# Altium PCB PCB1.PcbDoc
Units mm, origin at the board's own origin, x right, y up, seen from the top; angles counter-clockwise.
Board outline 42.8 x 94.9 mm, 4 copper layers (Top Layer, GROUND, POWER, Bottom Layer), stack 1.369 mm thick; 38 components, 31 nets, 184 pads, 30 vias.
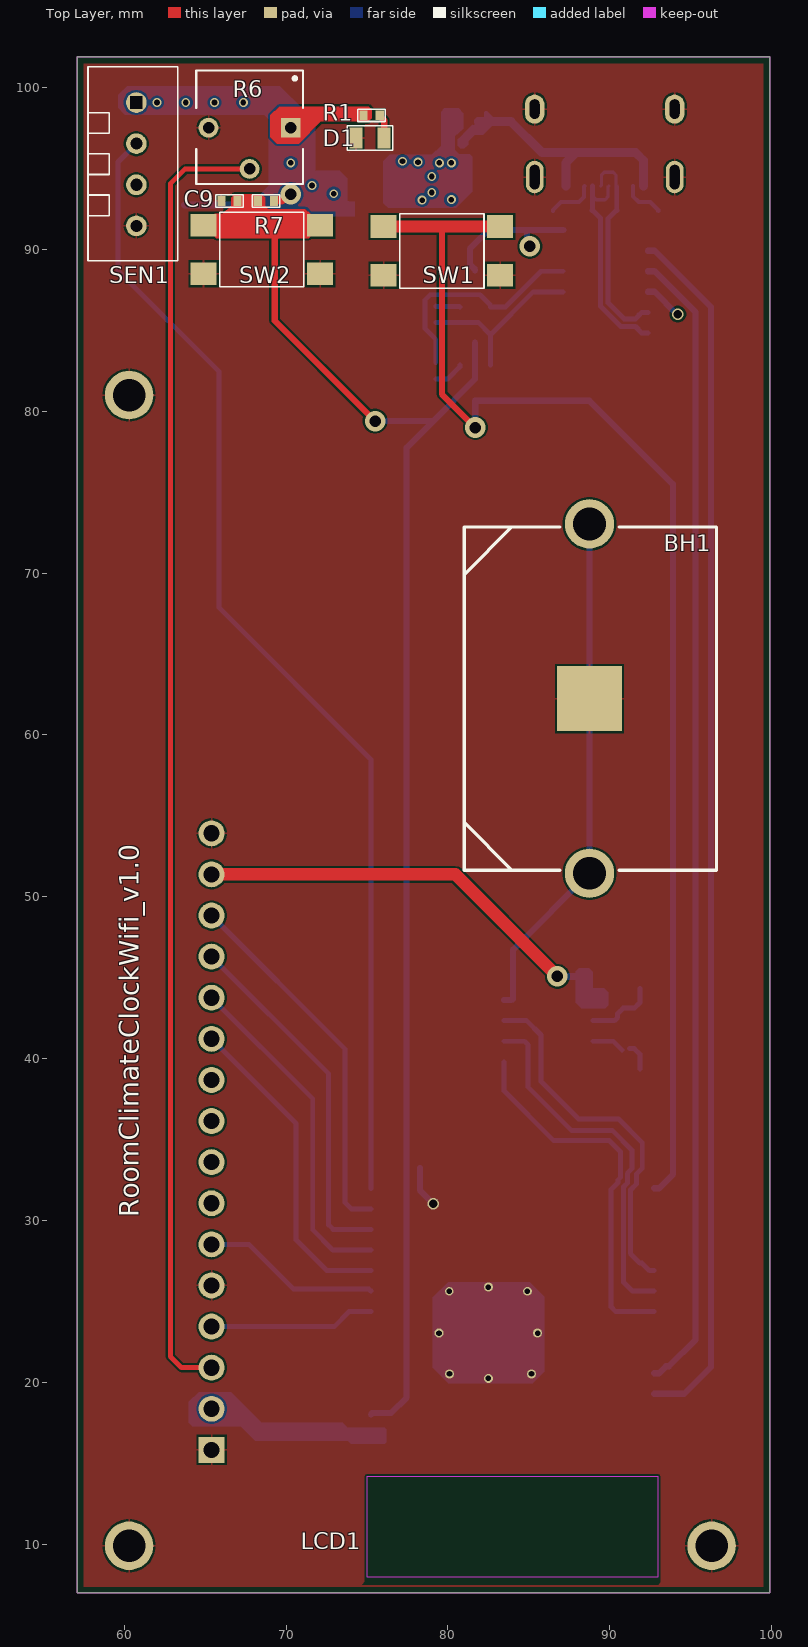
[diagram p0: Top Layer view]
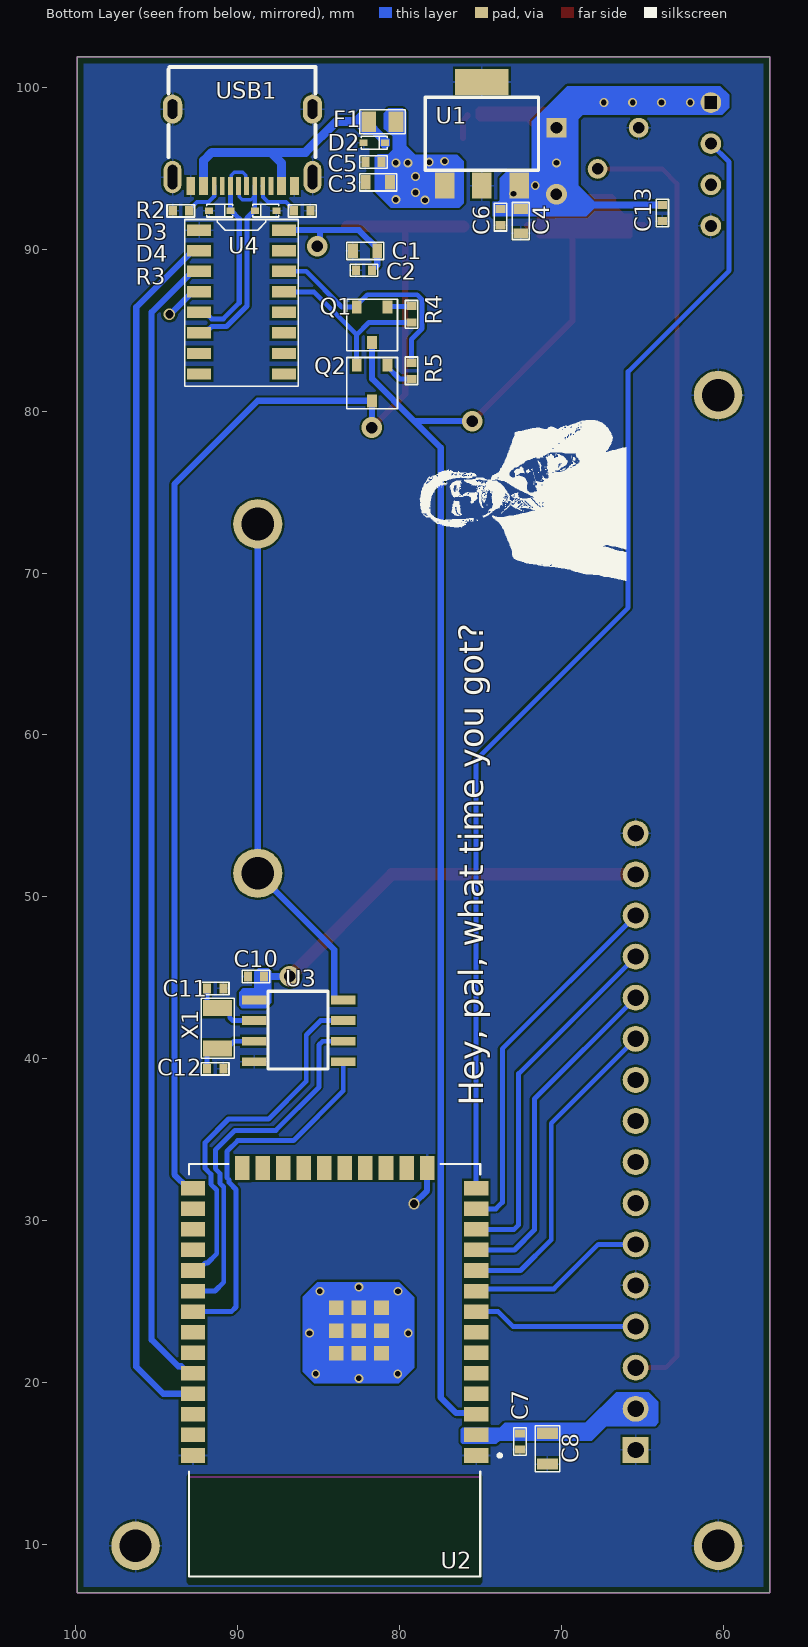
[diagram p1: Bottom Layer view, seen from below]
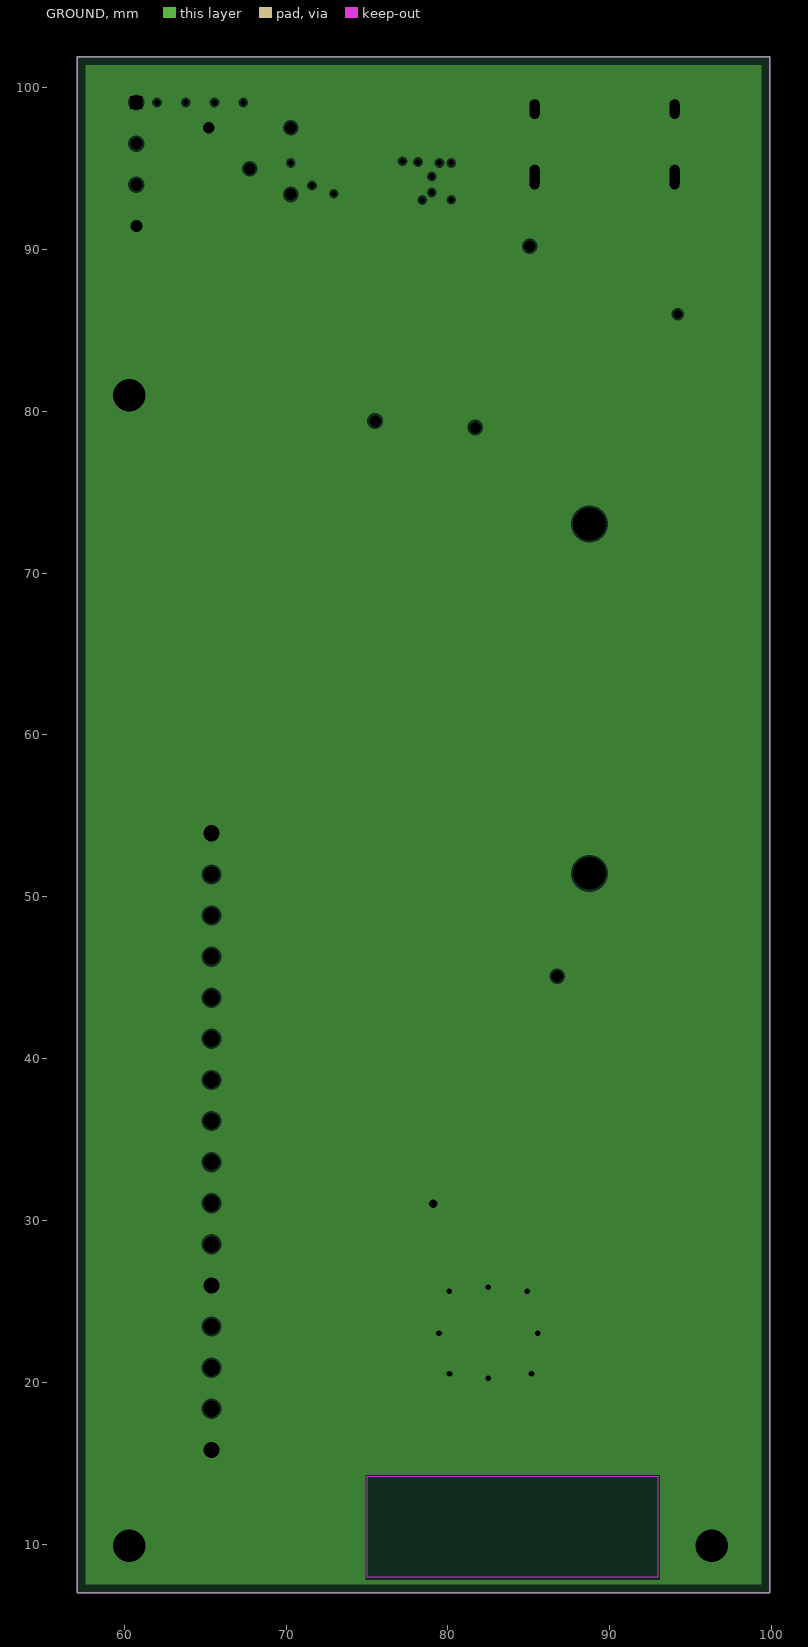
[diagram p2: GROUND, clearances drawn from the general rule]
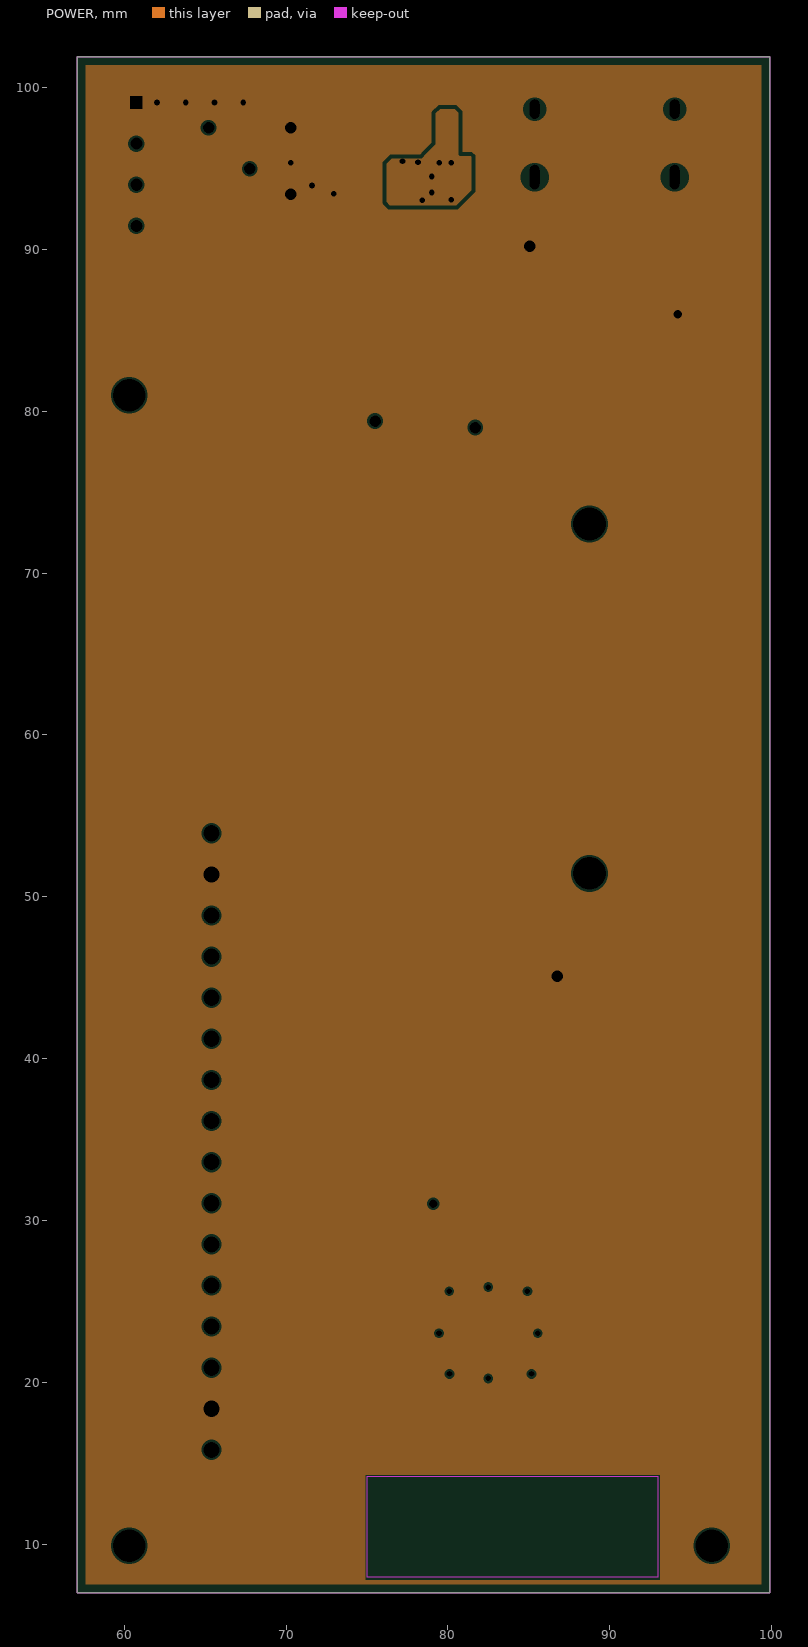
[diagram p3: POWER, clearances drawn from the general rule]
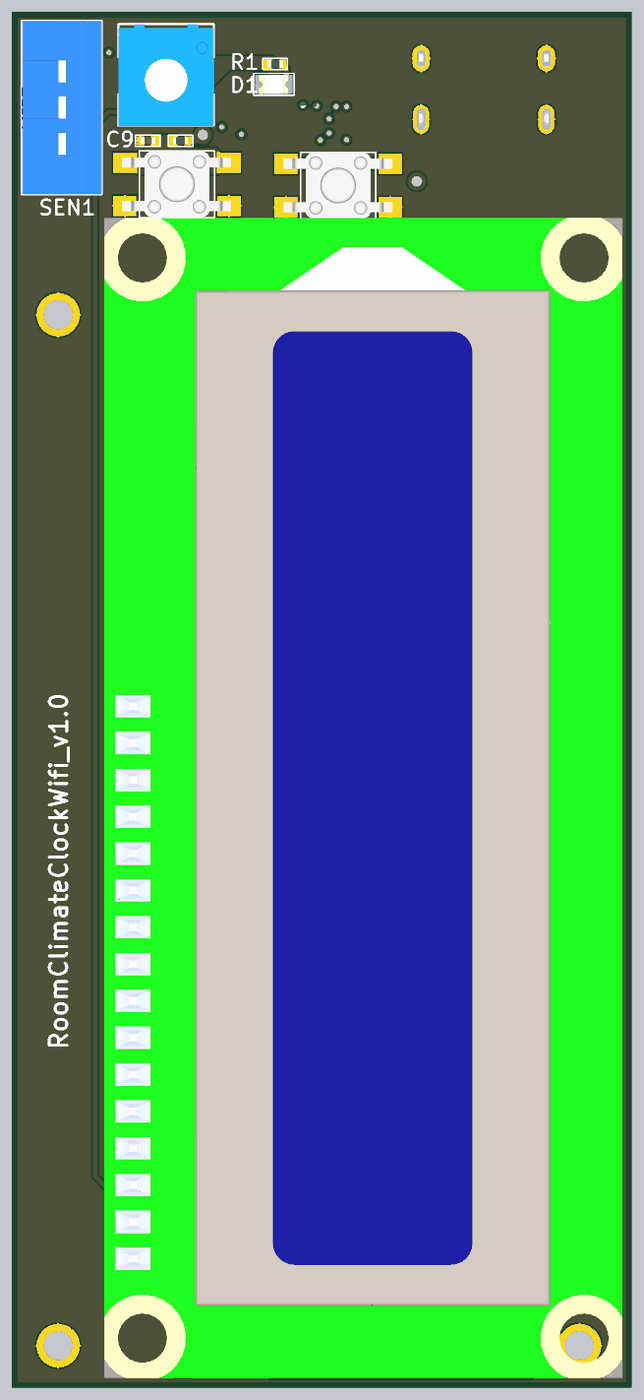
[diagram p4: 3D render of the assembled board from above, using the file's embedded part models]
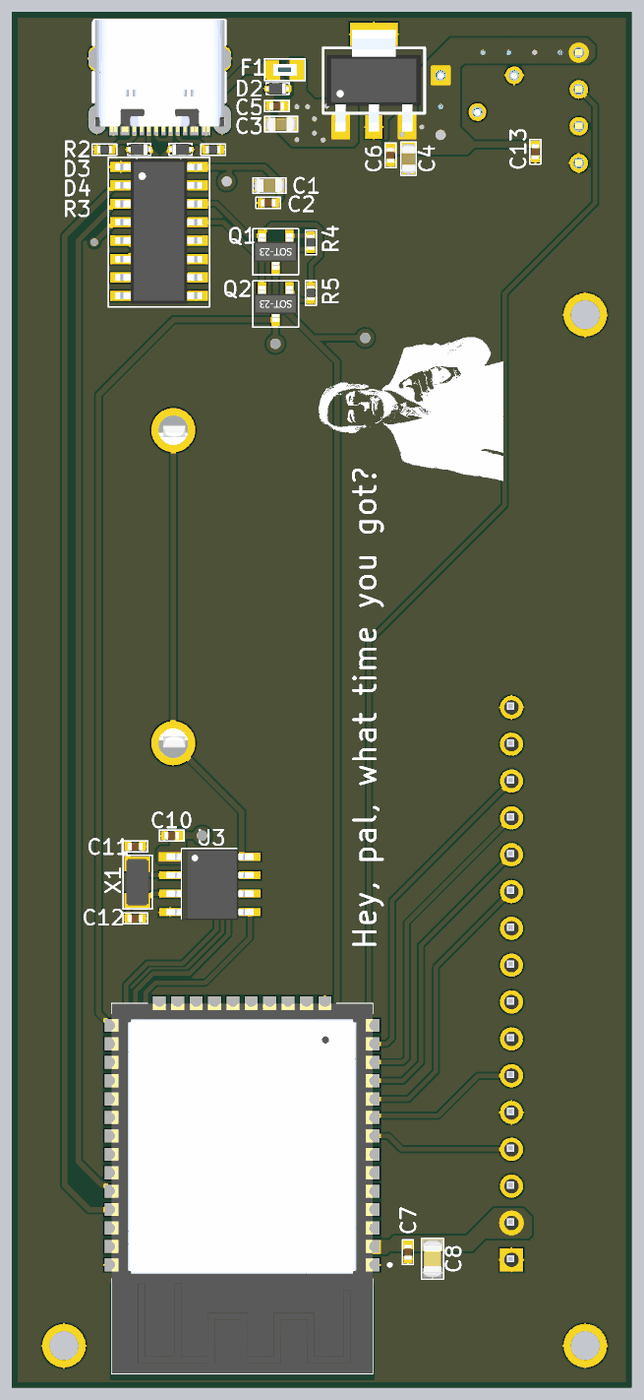
[diagram p5: 3D render of the assembled board from below, using the file's embedded part models]

## Layer stack, top to bottom
Top Solder: solder mask 0.0254, SM-001, Dk 4
Top Layer: signal copper 0.035
Dielectric 1: prepreg 0.1295, PP-017, Dk 4.3
Dielectric 2: prepreg 0.1295, PP-017, Dk 4.3
GROUND: plane copper 0.035, net GND
Dielectric 3: core 0.7112, Core-039, Dk 4.8
POWER: plane copper 0.035, net 3V3
Dielectric 4: prepreg 0.1295, PP-017, Dk 4.3
Dielectric 5: prepreg 0.1295, PP-017, Dk 4.3
Bottom Layer: signal copper 0.035
Bottom Solder: solder mask 0.0254, SM-001, Dk 4

## Board outline
57.1,7 57.1,101.9 99.9,101.9 99.9,7

## Design rules (kind name [scope] priority, off if disabled: settings)
BoardOutlineClearance [All] p1: gap=0.2 ignorepadtopadclearanceinfootprint=FALSE
Clearance [All] p1: gap=0.127 ignorepadtopadclearanceinfootprint=FALSE except(0.2: Arc-SMDPad Arc-THPad Track-SMDPad Track-THPad; 0.25: Arc-Hole Track-Hole SMDPad-Hole THPad-Hole Via-Hole Fill-Hole Poly-Hole Region-Hole Text-Hole; 0.254: Arc-Via Track-Via SMDPad-THPad SMDPad-Via THPad-Via Via-Via; 0.5: THPad-THPad)
ComponentClearance [All] p1: gap=0.127 collisioncheckmode=3 verticalgap=0.127 showdistances=TRUE
DiffPairsRouting [All] p1: maxlimit=0.15 minlimit=0.15 mostfreqgap=0.15 toplayer_minwidth=0.317 toplayer_maxwidth=0.317 toplayer_prefwidth=0.317 bottomlayer_minwidth=0.317 bottomlayer_maxwidth=0.317 bottomlayer_prefwidth=0.317 impedanceprofiledriven=TRUE maxuncoupledlength=12.7
Height [All] p1: minheight=0 maxheight=1816.048 prefheight=12.7
HoleSize [All] p1: absolutevalues=TRUE maxlimit=6.3 minlimit=0.3 maxpercent=80.000 minpercent=20.000
HoleToHoleClearance [All] p1: gap=0.25 allowstackedmicrovias=FALSE
MinimumAnnularRing [All] p1: minimumring=0.076
MinimumSolderMaskSliver [All] p1: minsoldermaskwidth=0
PlaneClearance [All] p1: clearance=0.127
PlaneConnect PlaneConnectPowerPads [InPadClass('PowerPads')] p1: planeconnectstyle=Direct reliefexpansion=0.508 reliefentries=4 reliefconductorwidth=0.254 reliefairgap=0.254
PlaneConnect [All] p2: pad.planeconnectstyle=Relief pad.reliefexpansion=0.3 pad.reliefentries=4 pad.reliefconductorwidth=0.127 pad.reliefairgap=0.127 via.planeconnectstyle=Direct via.reliefexpansion=0.3 via.reliefentries=4 via.reliefconductorwidth=0.127 via.reliefairgap=0.127
PolygonConnect PolygonConnectPowerPads [All vs (InPadClass('PowerPads'))] p1: connectstyle=Direct reliefconductorwidth=0.254 reliefentries=4 polygonreliefangle="90 Angle" airgapwidth=0.254
PolygonConnect [All] p2: thpad.connectstyle=Relief thpad.reliefconductorwidth=0.127 thpad.reliefentries=4 thpad.polygonreliefangle="90 Angle" thpad.airgapwidth=0.127 smdpad.connectstyle=Relief smdpad.reliefconductorwidth=0.127 smdpad.reliefentries=4 smdpad.polygonreliefangle="90 Angle" smdpad.airgapwidth=0.127 via.connectstyle=Direct via.reliefconductorwidth=0.127 via.reliefentries=4 via.polygonreliefangle="90 Angle" via.airgapwidth=0.127
RoutingVias [All] p1: holewidth=0.3 width=0.6 viastyle="Through Hole" minholewidth=0.3 minwidth=0.5 maxholewidth=1 maxwidth=6.6
ShortCircuit [All] p1: allowed=TRUE
SilkToSilkClearance [All] p1: silktosilkclearance=0
SilkToSolderMaskClearance [IsPad] p1: minsilkscreentomaskgap=0.127 clearancetoexposedcopper=TRUE
SolderMaskExpansion [All] p1: expansion=0.075 istentingtop=FALSE
UnRoutedNet [All] p1: checkbadconnections=TRUE
Width [All] p1: maxlimit=25.4 minlimit=0.127 preferedwidth=0.254 minimp=50.000000 maximp=50.000000 favimp=50.000000
18 further rules are at their usual default settings.

## Classes and differential pairs
differential pair D: +D_P -D_N

## Components (designator, comment, footprint, x,y, rotation, side; value= is the part's Value field where it differs from the comment)
BH1 "CR2032 Battery Holder" "3035 battery holder CR2032" 88.75,62.25 r90 top
C1 "1uF" "0603 CAP" 82.119,89.916 r180 bottom
C2 "100nF" "0402 CAP" 82.186,88.716 r180 bottom
C3 "1uF/10V" "0603 CAP" 81.32,94.15 r180 bottom value=1uF
C4 "1uF/10V" "0603 CAP" 72.5,91.75 r90 bottom value=1uF
C5 "4.7uF/10V" "0402 CAP" 81.596,95.4 r180 bottom
C6 "4.7uF/10V" "0402 CAP" 73.75,92 r90 bottom
C7 "100nF" "0402 CAP" 72.55,16.35 r90 bottom
C8 "10u" "0805 CAP" 70.85,15.9 r90 bottom
C9 "100nF" "0402 CAP" 66.5,93 r0 top
C10 "100nF" "0402 CAP" 88.859,45.078 r180 bottom
C11 "6pF" "0402 CAP" 91.373,44.339 r180 bottom
C12 "6pF" "0402 CAP" 91.373,39.369 r180 bottom
C13 "100nF" "0402 CAP" 63.75,92.25 r90 bottom
D1 "LED RED 0805" "LED 0805" 75.188,96.89 r0 top
D2 "LESD5D5.0CT1G" SC-79/SOD-523 81.551,96.6 r0 bottom
D3 "LESD5D5.0CT1G" SC-79/SOD-523 91.098,92.405 r0 bottom
D4 "LESD5D5.0CT1G" SC-79/SOD-523 88.254,92.405 r180 bottom
F1 "C2Q 500 FUSE" "C2Q 500 0603" 81.048,97.9 r180 bottom value=290mR
LCD1 "LCD 16X2 no i2c" "LCD 16X2 NO I2C" 65.397,34.875 r90 top
Q1 "SS8550" SOT23 81.686,85.35 r0 bottom
Q2 "SS8550" SOT23 81.686,81.75 r0 bottom
R1 "1k" "0402 RES" 75.288,98.29 r0 top value=1kR
R2 "5.1k" "0402 RES" 93.5,92.386 r180 bottom
R3 "5.1k" "0402 RES" 86,92.386 r0 bottom
R4 "10k" "0402 RES" 79.25,86 r90 bottom value=10kR
R5 "10k" "0402 RES" 79.25,82.5 r270 bottom value=10kR
R6 "3362P-1-103" 3362P-1-103 67.75,96.25 r180 top value=10kR
R7 "10k" "0402 RES" 68.75,93 r180 top value=10kR
SEN1 "DHT11" DHT11 60.75,95.27 r270 top
SW1 "SWITCH TACTILE" "4 pin tactile switch" 79.631,89.916 r0 top
SW2 "SWITCH TACTILE" "4 pin tactile switch" 68.5,90 r0 top
U1 "AP7361C-33E-13" SOT223 74.9,97.15 r180 bottom
U2 "ESP32-WROOM-32E" ESP32-WROOM-32E 84,24.36 r0 bottom
U3 "DS1302ZM/TR" SOP-8 86.215,41.713 r180 bottom
U4 "CH340C" SOP-16 89.75,86.75 r180 bottom
USB1 "Type C 12pin" "TYPE-C 16PIN 2MD(073)" 89.688,96.3 r0 bottom
X1 "32.768kHz" SMD3215-2P 91.228,41.873 r90 bottom

## Footprints (in the part's own frame and the unit in brackets; to place one, negate y for a bottom-side part, rotate by r counter-clockwise, add the part's x,y. Pads: shape width x height; smd on the part's side, far side on the other; paste and mask are expansions set on the pad)
"4 pin tactile switch" [mm] "yatay düzlemdekiler iletimde 1ve2/3ve4"
  rect 1.6x1.4 smd paste-2539.97 mask+0.05: 1(-3.6,-1.5) 2(-3.6,1.5) 3(3.6,-1.5) 4(3.6,1.5)
  silkscreen extent -2.6,-2.3 2.6,2.3, body extent -3.75,-2.25 3.75,2.25, height 5
"0402 CAP" [mm]
  rect 0.5x0.6 smd paste-2539.97 mask+0.05: 1(-0.5,0) 2(0.5,0)
  silkscreen extent -0.86,-0.38 0.85,0.38, body extent -0.51,-0.26 0.51,0.26, height 0.61
"0402 RES" [mm]
  rect 0.5x0.6 smd paste-2539.97 mask+0.05: 1(-0.5,0) 2(0.5,0)
  silkscreen extent -0.86,-0.38 0.85,0.38, body extent -0.5,-0.25 0.5,0.25, height 0.35
"0603 CAP" [mm]
  rect 0.6x0.9 smd paste-2539.97 mask+0.05: 1(-0.75,0) 2(0.75,0)
  silkscreen extent -1.13,-0.53 1.16,0.53, body extent -1.05,-0.52 1.05,0.51, height 0.8
"0805 CAP" [mm]
  rect 0.7x1.3 smd mask+0.05: 1(-0.95,0) 2(0.95,0)
  silkscreen extent -1.41,-0.75 1.41,0.76, body extent -1.3,-0.68 1.3,0.68, height 0.9
"3035 battery holder CR2032" [mm] "cr2032 battery holder keystone electronics 3035 model"
  rect 4x4 smd paste-3: N(0,0)
  round 3.045 hole 2.03: P(-10.795,0) P(10.795,0)
  silkscreen extent -10.61,-7.85 10.61,7.74, body extent -11.12,-7.78 11.12,7.81, height 4.25
3362P-1-103 [mm]
  rect 1.222x1.222 hole 0.714: 1(-2.54,-1.27)
  round 1.222 hole 0.714: 2(0,1.27) 3(2.54,-1.27)
  silkscreen extent -3.3,-4.8 3.3,2.2, body extent -3.3,-4.76 3.3,2.22, height 4.88
"C2Q 500 0603" [mm] "C2Q 500 0603 FUSE"
  rect 0.91x1.27 smd paste-2539.97 mask+0.05: 1(-0.835,0) 2(0.835,0)
  silkscreen extent -1.4,-0.75 1.4,0.75, body extent -0.8,-0.41 0.8,0.41, height 0.56
DHT11 [mm]
  round 1.28 hole 0.75 square paste+0 mask+0.05: 1(-3.81,0)
  round 1.28 hole 0.75 paste-2539.97 mask+0.05: 2(-1.27,0) 3(1.27,0) 4(3.81,0)
  silkscreen extent -6.03,-2.98 5.97,2.57, body extent -6.03,-2.98 5.97,2.57, height 16
ESP32-WROOM-32E [mm] "i removed vias cuz of jlcpcb's Capabilities"
  rect 1.5x0.9 smd: 1(-8.75,8.88) 2(-8.75,7.61) 3(-8.75,6.34) 4(-8.75,5.07) 5(-8.75,3.8) 6(-8.75,2.53) 7(-8.75,1.26) 8(-8.75,-0.01) 9(-8.75,-1.28) 10(-8.75,-2.55) 11(-8.75,-3.82) 12(-8.75,-5.09) 13(-8.75,-6.36) 14(-8.75,-7.63) 25(8.75,-7.63) 26(8.75,-6.36) 27(8.75,-5.09) 28(8.75,-3.82) 29(8.75,-2.55) 30(8.75,-1.28) 31(8.75,-0.01) 32(8.75,1.26) 33(8.75,2.53) 34(8.75,3.8) 35(8.75,5.07) 36(8.75,6.34) 37(8.75,7.61) 38(8.75,8.88)
  rect 0.9x1.5 smd: 15(-5.715,-8.88) 16(-4.445,-8.88) 17(-3.175,-8.88) 18(-1.905,-8.88) 19(-0.635,-8.88) 20(0.635,-8.88) 21(1.905,-8.88) 22(3.175,-8.88) 23(4.445,-8.88) 24(5.715,-8.88)
  rect 0.9x0.9 smd: 39(-2.9,-0.24) 39(-2.9,1.16) 39(-2.9,2.56) 39(-1.5,-0.24) 39(-1.5,1.16) 39(-1.5,2.56) 39(-0.1,-0.24) 39(-0.1,1.16) 39(-0.1,2.56)
  Keep-Out Layer region: 9,10.18 -9,10.18 -9,16.37 9,16.37
  silkscreen extent -10.3,-9.13 9,16.37, body extent -9,-9.13 9,16.37, height 3.25
"LCD 16X2 NO I2C" [mm]
  rect 1.6x1.6 hole 1 paste-2539.97 mask+0.05: 1(-19.05,0)
  round 1.6 hole 1 paste-2539.97 mask+0.05: 2(-16.51,0) 3(-13.97,0) 4(-11.43,0) 5(-8.89,0) 6(-6.35,0) 7(-3.81,0) 8(-1.27,0) 9(1.27,0) 10(3.81,0) 11(6.35,0) 12(8.89,0) 13(11.43,0) 14(13.97,0) 15(16.51,0) 16(19.05,0)
  body extent -27.2,-33.87 52.8,1.93, height 16.4
"LED 0805" [mm]
  rect 0.8x1.3 smd mask+0.05: 1(-0.875,0) 2(0.875,0)
  silkscreen extent -1.4,-0.75 1.4,0.76, body extent -1,-0.65 1,0.65, height 0.8
SC-79/SOD-523 [mm]
  rect 0.48x0.4 smd paste-2539.97 mask+0.05: 1(-0.66,0) 2(0.66,0)
  silkscreen extent -0.8,-0.4 0.8,0.4, body extent -0.8,-0.4 0.8,0.4, height 0.65
SMD3215-2P [mm]
  rect 1x1.8 smd paste-2539.97 mask+0.05: 1(-1.25,0) 2(1.25,0)
  silkscreen extent -1.85,-1.02 1.85,1, body extent -1.6,-0.75 1.6,0.75, height 0.9
SOP-8 [mm]
  rect 1.5x0.55 smd paste-2539.97 mask+0.05: 1(-2.75,1.905) 2(-2.75,0.635) 3(-2.75,-0.635) 4(-2.75,-1.905) 5(2.75,-1.905) 6(2.75,-0.635) 7(2.75,0.635) 8(2.75,1.905)
  silkscreen extent -1.9,-2.35 1.8,2.45, body extent -3,-2.45 3,2.45, height 1.75
SOP-16 [mm]
  rect 1.5x0.7 smd paste-2539.97 mask+0.05: 1(-2.625,4.445) 2(-2.625,3.175) 3(-2.625,1.905) 4(-2.625,0.635) 5(-2.625,-0.635) 6(-2.625,-1.905) 7(-2.625,-3.175) 8(-2.625,-4.445) 9(2.625,-4.445) 10(2.625,-3.175) 11(2.625,-1.905) 12(2.625,-0.635) 13(2.625,0.635) 14(2.625,1.905) 15(2.625,3.175) 16(2.625,4.445)
  silkscreen extent -3.5,-5.21 3.5,5.11, body extent -3,-5 3,5, height 1.8
SOT23 [mm]
  rect 0.6x0.8 smd paste-2539.97 mask+0.05: 1(-0.95,-1.1) 2(0.95,-1.1) 3(0,1.1)
  silkscreen extent -1.58,-1.58 1.58,1.6, body extent -1.5,-1.25 1.5,1.25, height 1.1
SOT223 [mm]
  rect 1.2x1.6 smd paste-2539.97 mask+0.05: 1(-2.3,-3.2) 2(0,-3.2) 3(2.3,-3.2)
  rect 3.3x1.6 smd paste-2539.97 mask+0.05: 2(0,3.2)
  silkscreen extent -3.5,-2.25 3.5,2.25, body extent -3.25,-3.5 3.25,3.5, height 1.75
"TYPE-C 16PIN 2MD(073)" [mm] "plastk delik yeri koydum sildim DRC sağlamıyor"
  rect 0.55x1.1 smd paste-100 mask+0.05: 1(-3.2,2.375) 2(-2.4,2.375) 11(2.4,2.375) 12(3.2,2.375)
  rect 0.3x1.1 smd paste-100 mask+0.05: 3(-1.75,2.375) 4(-1.25,2.375) 5(-0.75,2.375) 6(-0.25,2.375) 7(0.25,2.375) 8(0.75,2.375) 9(1.25,2.375) 10(1.75,2.375)
  oval 1.1x2 hole 0.6 slot 1.5 at 90 deg paste+0 mask+0.05: 13(-4.325,1.825) 13(4.325,1.825)
  oval 1.2x1.8 hole 0.6 slot 1.2 at 90 deg paste+0 mask+0.05: 13(-4.325,-2.375) 13(4.325,-2.375)
  silkscreen extent -4.5,-4.97 4.57,0.6, body extent -4.47,-5.02 4.47,2.69, height 3.31
